# Altium PCB Main.PcbDoc (part 4 of 5)
Units mm, origin at the board's own origin, x right, y up, seen from the top; angles counter-clockwise.
Board outline 150.25 x 70.25 mm, 2 copper layers (Top Layer, Bottom Layer); 122 components, 135 nets, 595 pads, 384 vias.
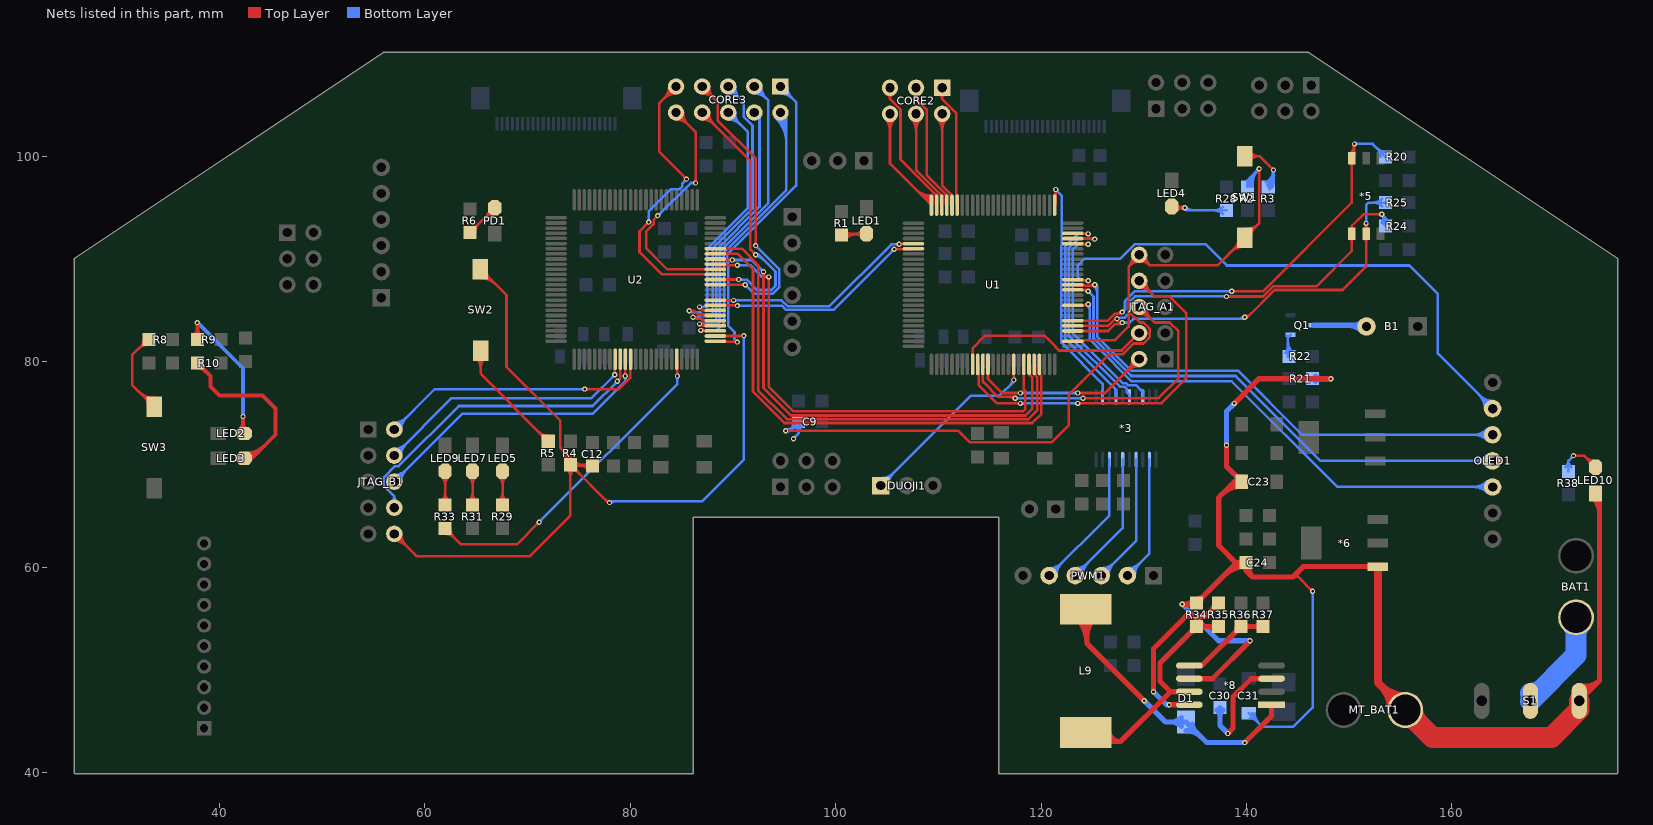
[diagram p4: the nets of this part, all layers, seen from the top]

## Via types
v1: diameter 0.508, hole 0.254, Top Layer to Bottom Layer, tented both sides, 206 vias
v2: diameter 0.508, hole 0.381, Top Layer to Bottom Layer, tented both sides, 164 vias
v3: diameter 0.762, hole 0.508, Top Layer to Bottom Layer, tented both sides, 11 vias
v4: diameter 4.5, hole 4, Top Layer to Bottom Layer, tented both sides, 3 vias

## Nets (pads, with @x,y where several pads share a name; then routed paths per layer and width w, separated by ;. In a path a pad name is that pad's centre, name@x,y a point inside that pad or via, vN(x,y) a via of type N, cw(c..) or ccw(c..) an arc to the next point about the centre after c; other vN are vias at no path point) (continued)
LED_6: R33.2 U2.46 | length 36.2
  Top Layer w0.254: R33.2@61.976,63.246 cw(c61.976,62.02) 62.843,62.887 cw(c63.71,63.754) R33.2@62.484,63.754 ; R33.2@61.976,63.754 63.5,62.23 68.961,62.23 v1(71.12,64.389) ; v1@70.993,64.389 cw(c70.686,64.389) 70.903,64.172 cw(c71.12,63.955) v1@71.12,64.262 ; U2.46@84.49,79.35 cw(c84.267,79.127) 84.582,79.127 ; v1@84.492,78.703 ccw(c84.275,78.92) 84.582,78.92 ccw(c84.889,78.92) v1@84.672,78.703 ; U2.46@84.524,80.259 84.582,80.2 v1(84.582,78.613)
  Bottom Layer w0.254: v1(71.12,64.389) 84.582,77.851 v1(84.582,78.613) ; v1@71.12,64.516 ccw(c71.12,64.823) 71.337,64.606 ccw(c71.554,64.389) v1@71.247,64.389 ; v1@84.492,78.523 cw(c84.275,78.306) 84.582,78.306 cw(c84.889,78.306) v1@84.672,78.523
M: *5.5 R25.2 U1.54 | length 47.1
  Top Layer w0.254: U1.54@123.074,83.003 126.519,83.003 127.182,83.666 127.735,83.666 v1(127.889,83.82) ; 127.211,83.666 ccw(c127.211,84.498) v1@127.799,83.91 ; v1(139.827,84.328) 140.066,84.328 142.733,86.995 149.352,86.995 151.638,89.281 *5.5@151.638,92.456 v1(151.638,93.472) ; v1@139.827,84.455 ccw(c139.827,85.339) 140.452,84.714 ; *5.5@151.463,92.056 cw(c151.039,91.632) 151.638,91.632 cw(c152.237,91.632) *5.5@151.813,92.056 ; *5.5@151.463,92.856 ccw(c151.039,93.28) 151.638,93.28 ccw(c152.237,93.28) *5.5@151.813,92.856 ; v1@151.53,93.405 cw(c151.159,93.176) 151.58,93.064 ; v1@151.548,93.382 cw(c151.331,93.165) 151.638,93.165 cw(c151.945,93.165) v1@151.728,93.382 ; 151.696,93.064 cw(c152.117,93.176) v1@151.746,93.405
  Bottom Layer w0.254: v1(127.889,83.82) 128.603,83.82 128.968,84.185 139.684,84.185 v1(139.827,84.328) ; v1@127.979,83.73 cw(c128.196,83.513) 128.196,83.82 cw(c128.196,84.127) v1@127.979,83.91 ; 139.175,84.185 ccw(c139.175,84.98) v1@139.737,84.418 ; v1@151.548,93.562 ccw(c151.331,93.779) 151.638,93.779 ccw(c151.945,93.779) v1@151.728,93.562 ; v1(151.638,93.472) 151.638,95.25 151.892,95.504 R25.2@153.543,95.504 ; R25.2@153.184,95.145 ccw(c152.317,94.278) 152.317,95.504 ccw(c152.317,96.73) R25.2@153.184,95.863
MOTOR1_IN1: *3.2 PWM1.2 | length 16.7
  Bottom Layer w0.254: PWM1.2@128.397,59.182 130.541,61.326 *3.2@130.541,70.485 ; PWM1.2@128.397,59.651 ccw(c128.397,60.783) 129.198,59.983 ccw(c129.998,59.182) PWM1.2@128.866,59.182 ; PWM1.2@128.397,59.905 ccw(c128.397,61.65) 129.631,60.416 ccw(c130.865,59.182) PWM1.2@129.12,59.182
MOTOR1_IN2: *3.4 PWM1.3 | length 17.2
  Bottom Layer w0.254: PWM1.3@125.857,59.182 129.241,62.566 *3.4@129.241,70.485 ; PWM1.3@125.857,59.651 ccw(c125.857,60.783) 126.658,59.983 ccw(c127.458,59.182) PWM1.3@126.326,59.182 ; PWM1.3@125.857,59.905 ccw(c125.857,61.65) 127.091,60.416 ccw(c128.325,59.182) PWM1.3@126.58,59.182
MOTOR2_IN1: *3.6 PWM1.4 | length 17.7
  Bottom Layer w0.254: PWM1.4@123.317,59.182 127.941,63.806 *3.6@127.941,70.485 ; PWM1.4@123.317,59.651 ccw(c123.317,60.783) 124.118,59.983 ccw(c124.918,59.182) PWM1.4@123.786,59.182 ; PWM1.4@123.317,59.905 ccw(c123.317,61.65) 124.551,60.416 ccw(c125.785,59.182) PWM1.4@124.04,59.182
MOTOR2_IN2: *3.8 PWM1.5 | length 18.3
  Bottom Layer w0.254: PWM1.5@120.777,59.182 126.641,65.046 *3.8@126.641,70.485 ; PWM1.5@120.777,59.651 ccw(c120.777,60.783) 121.578,59.983 ccw(c122.378,59.182) PWM1.5@121.246,59.182 ; PWM1.5@120.777,59.905 ccw(c120.777,61.65) 122.011,60.416 ccw(c123.245,59.182) PWM1.5@121.5,59.182
Net*8_1: *8.1 D1.1 L9.2 | length 37.7
  Top Layer w0.508: L9.2@123.452,55.03 cw(c121.018,52.596) 124.46,52.596 ; L9.2@123.811,55.389 cw(c122.245,53.823) 124.46,53.823 ; 124.46,53.209 cw(c127.035,53.209) L9.2@125.214,55.03 ; L9.2@124.46,55.022 124.46,52.578 v1(130.048,46.99) ; v1(139.827,42.926) 142.43,45.529 *8.1@142.43,46.609
  Bottom Layer w0.508: v1(130.048,46.99) 132.108,44.93 D1.1@134.112,44.93 136.116,42.926 v1(139.827,42.926) ; D1.1@133.673,44.491 ccw(c132.613,43.431) 132.613,44.93 ccw(c132.613,46.429) D1.1@133.673,45.369 ; D1.1@134.112,44.084 cw(c134.112,42.042) 135.556,43.486 ; D1.1@134.733,44.705 ccw(c135.689,44.705) 135.013,44.029
Net*8_3: *8.3 C30.1 | length 12.5
  Top Layer w0.508: v1(138.176,43.815) 138.684,44.323 138.684,47.371 140.462,49.149 *8.3@142.43,49.149
  Bottom Layer w0.508: C30.1@137.145,46.072 cw(c136.494,45.421) 137.414,45.421 cw(c138.334,45.421) C30.1@137.683,46.072 ; C30.1@137.414,46.341 137.414,44.577 v1(138.176,43.815)
Net*8_5: *8.5 R36.2 R37.2 | length 13.6
  Top Layer w0.508: *8.5@134.43,50.419 135.636,50.419 R36.2@139.446,54.229 R37.2@141.605,54.229 ; *8.5@135.43,50.465 ccw(c135.43,51.074) 135.86,50.643 ; R36.2@139.065,54.229 cw(c138.145,54.229) 138.796,53.579 cw(c139.446,52.928) R36.2@139.446,53.848 ; R36.2@139.715,53.96 cw(c140.366,53.309) 140.366,54.229 cw(c140.366,55.149) R36.2@139.715,54.498 ; R37.2@141.336,53.96 ccw(c140.685,53.309) 140.685,54.229 ccw(c140.685,55.149) R37.2@141.336,54.498
Net*8_7: *8.7 L9.1 R34.1 R35.2 | length 31.5
  Top Layer w0.508: L9.1@124.46,43.022 127.731,43.022 ; L9.1@125.561,43.938 ccw(c126.59,44.057) L9.1@126.59,43.022 ; L9.1@126.066,43.996 ccw(c127.16,44.124) 127.16,43.022 ; L9.1@126.571,44.055 ccw(c127.731,44.19) 127.731,43.022 ; *8.7@134.43,47.879 132.588,47.879 ; R34.1@134.747,54.229 cw(c133.827,54.229) 134.478,53.579 cw(c135.128,52.928) R34.1@135.128,53.848 ; R34.1@135.397,53.96 cw(c136.048,53.309) 136.048,54.229 cw(c136.048,55.149) R34.1@135.397,54.498 ; R35.2@137.018,53.96 ccw(c136.367,53.309) 136.367,54.229 ccw(c136.367,55.149) R35.2@137.018,54.498 ; R35.2@137.287,54.229 R34.1@135.128,54.229 131.572,50.673 131.572,48.895 132.588,47.879 ; 127.731,43.022 132.588,47.879
Net*8_8: *8.8 R35.1 | length 18.3
  Top Layer w0.508: v1(130.937,47.879) 130.937,52.07 134.085,55.218 135.99,55.218 R35.1@137.287,56.515 ; v1(132.461,46.609) *8.8@134.43,46.609 ; R35.1@136.906,56.515 cw(c135.986,56.515) 136.637,55.865 cw(c137.287,55.214) R35.1@137.287,56.134
  Bottom Layer w0.508: v1(130.937,47.879) 132.207,46.609 v1(132.461,46.609) cw(c132.461,47.222) 132.027,46.789
NetB1_2: B1.2 Q1.3 | length 7.6
  Bottom Layer w0.508: Q1.3@146.54,83.566 151.551,83.566 B1.2@151.678,83.439 ; 149.812,83.566 cw(c149.812,81.573) B1.2@151.221,82.982 ; 150.425,83.566 ccw(c150.425,84.692) B1.2@151.221,83.896
NetBAT1_1: BAT1.1 S1.2 | length 14.1
  Bottom Layer w2.032: S1.2@167.64,46.99 172.085,51.435 BAT1.1@172.085,55.118 ; S1.2@167.64,47.724 ccw(c167.64,49.496) 168.893,48.243 ; BAT1.1@171.566,54.599 cw(c170.313,53.346) 172.085,53.346 cw(c173.857,53.346) BAT1.1@172.604,54.599
NetLED1_2: LED1.2 R1.1 | length 7.1
  Top Layer w0.254: R1.1@100.584,92.329 100.711,92.456 LED1.2@102.997,92.456 ; R1.1@100.764,92.149 cw(c101.504,91.409) 101.504,92.456 cw(c101.504,93.249) R1.1@100.943,92.688 ; R1.1@100.943,91.97 cw(c102.117,90.796) 102.117,92.456 ; LED1.2@102.638,92.097 ccw(c101.771,91.23) 101.771,92.456 ccw(c101.771,93.682) LED1.2@102.638,92.815
NetLED2_2: LED2.2 R9.1 | length 17.7
  Top Layer w0.381: R9.1@37.532,82.483 ccw(c36.773,83.242) 37.846,83.242 ccw(c38.919,83.242) R9.1@38.16,82.483 ; R9.1@37.846,82.169 v1(37.846,83.82) ; LED2.2@41.977,73.339 ccw(c41.218,74.098) 42.291,74.098 ccw(c43.364,74.098) LED2.2@42.605,73.339 ; v1(42.291,74.676) 42.291,73.152 LED2.2@42.418,73.025
  Bottom Layer w0.381: v1(37.846,83.82) 42.291,79.375 v1(42.291,74.676)
NetLED3_2: LED3.2 R10.1 | length 21.6
  Top Layer w0.381: R10.1@37.846,79.438 cw(c37.846,78.365) 38.605,79.124 cw(c39.364,79.883) R10.1@38.291,79.883 ; R10.1@37.846,79.883 39.116,78.613 39.116,77.597 40.005,76.708 44.196,76.708 45.466,75.438 45.466,72.898 43.18,70.612 LED3.2@42.418,70.612 ; LED3.2@42.545,70.675 ccw(c42.545,72.362) 43.737,71.169 ; LED3.2@42.545,71.056 ccw(c42.545,73.663) 44.388,71.82
NetLED4_2: LED4.2 R28.1 | length 12.2
  Top Layer w0.254: LED4.2@132.715,95.123 132.842,94.996 v1(133.985,94.996) ; LED4.2@133.074,94.637 cw(c133.941,93.77) 133.941,94.996 cw(c133.941,96.222) LED4.2@133.074,95.355 ; 133.66,94.92 cw(c133.749,94.587) v1@133.921,94.886 ; 133.66,95.072 ccw(c133.749,95.405) v1@133.921,95.106 ; 133.712,94.935 ccw(c133.643,95.194) v1@133.875,95.06 ; 133.712,95.057 cw(c133.643,94.798) v1@133.875,94.932 ; v1@133.895,94.906 ccw(c133.678,94.689) 133.678,94.996 ccw(c133.678,95.303) v1@133.895,95.086
  Bottom Layer w0.254: v1@133.895,94.906 ccw(c134.292,95.303) 134.292,94.742 ; v1(133.985,94.996) 134.239,94.742 R28.1@138.049,94.742 ; v1@134.075,95.086 ccw(c134.905,95.916) 134.905,94.742 ; R28.1@137.69,94.383 ccw(c136.823,93.516) 136.823,94.742 ccw(c136.823,95.968) R28.1@137.69,95.101
NetLED5_2: LED5.2 R29.1 | length 7.2
  Top Layer w0.254: R29.1@67.205,66.399 ccw(c66.338,67.266) 67.564,67.266 ccw(c68.79,67.266) R29.1@67.923,66.399 ; LED5.2@67.205,68.856 cw(c66.338,67.989) 67.564,67.989 cw(c68.79,67.989) LED5.2@67.923,68.856 ; R29.1@67.564,66.04 LED5.2@67.564,69.342
NetLED7_2: LED7.2 R31.1 | length 7
  Top Layer w0.254: R31.1@64.284,66.399 ccw(c63.417,67.266) 64.643,67.266 ccw(c65.869,67.266) R31.1@65.002,66.399 ; LED7.2@64.284,68.856 cw(c63.417,67.989) 64.643,67.989 cw(c65.869,67.989) LED7.2@65.002,68.856 ; R31.1@64.643,66.167 LED7.2@64.643,69.342
NetLED9_2: LED9.2 R33.1 | length 7.2
  Top Layer w0.254: R33.1@61.617,66.399 ccw(c60.75,67.266) 61.976,67.266 ccw(c63.202,67.266) R33.1@62.335,66.399 ; LED9.2@61.617,68.856 cw(c60.75,67.989) 61.976,67.989 cw(c63.202,67.989) LED9.2@62.335,68.856 ; R33.1@61.849,66.04 61.976,66.167 LED9.2@61.976,69.342
NetLED10_2: LED10.2 R38.1 | length 9.4
  Top Layer w0.254: v1(171.831,70.866) 172.847,70.866 LED10.2@173.99,69.723 ; v1@171.921,70.776 cw(c172.138,70.559) 172.138,70.866 cw(c172.138,71.173) v1@171.921,70.956 ; 172.906,70.807 ccw(c173.99,71.891) LED10.2@173.99,70.358 ; 173.213,70.5 cw(c172.562,69.85) LED10.2@173.482,69.85 ; 173.34,70.373 ccw(c173.99,71.024) LED10.2@173.99,70.104
  Bottom Layer w0.254: R38.1@171.018,69.748 ccw(c170.561,70.358) 171.323,70.358 ; R38.1@171.323,69.342 171.323,70.358 ; R38.1@171.628,69.748 cw(c172.085,70.358) 171.323,70.358 ; v1@171.704,70.866 cw(c171.397,70.866) 171.614,70.649 cw(c171.831,70.432) v1@171.831,70.739 ; v1(171.831,70.866) 171.323,70.358
NetPD1_K: PD1.2 R6.1 | length 8
  Top Layer w0.254: R6.1@64.389,92.583 PD1.2@66.802,94.996 ; R6.1@64.389,93.091 ccw(c64.389,94.317) 65.256,93.45 ccw(c66.123,92.583) R6.1@64.897,92.583 ; 65.718,93.912 cw(c66.802,92.828) PD1.2@66.802,94.361 ; 66.025,94.219 ccw(c65.374,94.869) PD1.2@66.294,94.869 ; 66.152,94.346 cw(c66.802,93.695) PD1.2@66.802,94.615
NetQ1_1: Q1.1 R22.2 | length 5.5
  Bottom Layer w0.254: R22.2@143.786,80.877 ccw(c143.225,81.438) 144.018,81.438 ccw(c145.065,81.438) R22.2@144.325,80.698 ; Q1.1@143.928,82.547 cw(c143.71,82.329) 144.018,82.329 ; Q1.1@143.934,82.541 cw(c143.784,82.361) 144.018,82.361 ; 144.018,82.051 ccw(c145.678,82.051) R22.2@144.504,80.877 ; R22.2@144.145,80.518 144.018,80.518 144.018,82.362 Q1.1@144.272,82.616
NetR3_2: R3.2 SW1.1 | length 14.9
  Top Layer w0.254: SW1.1@139.807,100.008 141.292,100.008 ; SW1.1@140.07,99.749 cw(c140.687,99.144) 140.687,100.008 cw(c140.687,100.872) SW1.1@140.07,100.266 ; SW1.1@140.252,99.571 cw(c141.292,98.549) 141.292,100.008 ; SW1.1@140.252,100.444 ccw(c141.292,101.466) 141.292,100.008 ; v1@142.494,98.679 ccw(c142.187,98.679) 142.404,98.896 ccw(c142.621,99.113) v1@142.621,98.806 ; v1(142.621,98.679) 141.292,100.008
  Bottom Layer w0.254: R3.2@141.884,97.482 ccw(c141.28,98.679) v1(142.621,98.679) 142.621,97.536 R3.2@142.113,97.028 ccw(c141.696,97.853) 142.621,97.853 ; R3.2@141.999,97.255 ccw(c141.488,98.266) 142.621,98.266 ; R3.2@142.227,96.801 ccw(c141.905,97.441) R3.2@142.621,97.441 ; v1@142.511,98.616 cw(c142.245,98.462) 142.542,98.383 cw(c142.838,98.304) v1@142.684,98.569 ; v1@142.531,98.589 cw(c142.314,98.372) 142.621,98.372 cw(c142.928,98.372) v1@142.711,98.589
NetR5_2: R5.2 SW2.1 | length 17.2
  Top Layer w0.254: SW2.1@64.984,80.404 cw(c63.921,79.34) 65.425,79.34 cw(c66.929,79.34) SW2.1@65.865,80.404 ; SW2.1@65.164,80.583 cw(c64.534,79.953) 65.425,79.953 cw(c66.316,79.953) SW2.1@65.686,80.583 ; SW2.1@65.425,81.094 65.425,78.847 R5.2@72.009,72.263 ; R5.2@71.501,72.263 ccw(c70.275,72.263) 71.142,73.13 ccw(c72.009,73.997) R5.2@72.009,72.771
NetR8_2: R8.2 SW3.1 | length 14.4
  Top Layer w0.254: 32.063,81.212 cw(c33.147,80.128) R8.2@33.147,81.661 ; 32.145,77.114 ccw(c33.635,78.604) SW3.1@33.635,76.497 ; 32.37,81.519 ccw(c31.719,82.169) R8.2@32.639,82.169 ; 32.497,81.646 cw(c33.147,80.995) R8.2@33.147,81.915 ; 32.578,76.68 ccw(c33.635,77.737) SW3.1@33.635,76.243 ; 32.748,76.511 cw(c32.112,75.874) SW3.1@33.012,75.874 ; R8.2@33.147,82.169 33.02,82.169 31.496,80.645 31.496,77.763 SW3.1@33.635,75.624
OLED_D1: OLED1.4 U1.62 | length 56.2
  Top Layer w0.254: U1.62@123.074,87.003 124.452,87.003 v1(124.587,86.868) ; U1.62@123.954,87.003 cw(c123.954,86.235) v1@124.497,86.778
  Bottom Layer w0.254: v1@124.587,86.741 cw(c124.587,86.434) 124.804,86.651 cw(c125.021,86.868) v1@124.714,86.868 ; v1(124.587,86.868) 125.095,86.36 125.095,82.303 128.785,78.613 138.938,78.613 147.193,70.358 OLED1.4@163.971,70.358 ; OLED1.4@163.424,69.811 ccw(c162.105,68.492) 162.105,70.358 ccw(c162.105,72.224) OLED1.4@163.424,70.905 ; OLED1.4@163.604,69.991 ccw(c162.718,69.105) 162.718,70.358 ccw(c162.718,71.611) OLED1.4@163.604,70.725
OLED_D2: OLED1.3 U1.59 | length 56.3
  Top Layer w0.254: U1.59@123.074,85.503 124.492,85.503 v1(124.587,85.598) ; U1.59@124.051,85.503 ccw(c124.051,86.134) v1@124.497,85.688
  Bottom Layer w0.254: v1@124.497,85.508 cw(c123.909,84.92) 124.741,84.92 ; v1(124.587,85.598) 124.741,85.444 124.741,82.157 125.416,81.482 125.416,81.474 128.785,78.105 138.557,78.105 148.844,67.818 OLED1.3@163.971,67.818 ; OLED1.3@163.424,67.271 ccw(c162.105,65.952) 162.105,67.818 ccw(c162.105,69.684) OLED1.3@163.424,68.365 ; OLED1.3@163.604,67.451 ccw(c162.718,66.565) 162.718,67.818 ccw(c162.718,69.071) OLED1.3@163.604,68.185
OLED_DC: OLED1.6 U1.64 | length 62.3
  Top Layer w0.254: U1.64@123.074,88.003 123.172,87.905 124.116,87.905 ; U1.64@123.951,87.955 cw(c123.964,87.712) 124.137,87.884 ; U1.64@123.957,87.956 cw(c123.987,87.777) 124.116,87.905 ; U1.64@123.983,88.037 ccw(c124.352,88.406) v1@124.352,87.884 ; U1.64@123.997,88.009 ccw(c124.137,88.025) 124.137,87.884 ; 124.193,87.927 ccw(c124.29,88.29) v1@124.512,87.986 ; v1@124.497,87.794 ccw(c124.28,87.577) 124.28,87.884 ccw(c124.28,88.191) v1@124.497,87.974 ; v1(124.587,87.884) 124.137,87.884 ; 124.116,87.905 124.137,87.884
  Bottom Layer w0.254: v1@124.497,87.794 ccw(c124.28,87.577) 124.28,87.884 ccw(c124.28,88.191) v1@124.497,87.974 ; v1(124.587,87.884) 123.952,87.884 123.571,88.265 123.571,89.381 124.233,90.043 127.707,90.043 129.115,91.451 136.006,91.451 138.076,89.381 155.856,89.381 158.623,86.614 158.623,80.786 OLED1.6@163.971,75.438 ; OLED1.6@163.198,75.438 ccw(c161.332,75.438) 162.651,76.758 ccw(c163.971,78.077) OLED1.6@163.971,76.211 ; OLED1.6@163.452,75.438 ccw(c162.199,75.438) 163.085,76.324 ccw(c163.971,77.21) OLED1.6@163.971,75.957
OLED_RST: OLED1.5 U1.63 | length 56.6
  Top Layer w0.254: U1.63@123.444,87.405 124.386,87.405 124.388,87.403 125.122,87.403 v1(125.222,87.503) ; U1.63@123.983,87.537 ccw(c124.301,87.855) 124.301,87.405 ; 124.674,87.403 ccw(c124.674,88.051) v1@125.132,87.593
  Bottom Layer w0.254: v1@125.132,87.413 cw(c124.302,86.583) 125.476,86.583 ; v1(125.222,87.503) 125.476,87.249 125.476,82.423 128.778,79.121 139.192,79.121 145.415,72.898 OLED1.5@163.971,72.898 ; v1@125.312,87.593 cw(c124.915,87.196) 125.476,87.196 ; OLED1.5@163.424,72.351 ccw(c162.105,71.032) 162.105,72.898 ccw(c162.105,74.764) OLED1.5@163.424,73.445 ; OLED1.5@163.604,72.531 ccw(c162.718,71.645) 162.718,72.898 ccw(c162.718,74.151) OLED1.5@163.604,73.265
PTA19: CORE3.1 U2.51 | length 36.1
  Top Layer w0.254: U2.51@88.276,82.011 88.345,81.942 90.397,81.942 v1(90.424,81.915) ; U2.51@89.185,82.045 ccw(c89.433,82.293) 89.433,81.942 ; 90.052,81.942 cw(c90.052,81.543) v1@90.334,81.825
  Bottom Layer w0.254: v1@90.297,81.915 ccw(c89.99,81.915) 90.207,82.132 ccw(c90.424,82.349) v1@90.424,82.042 ; v1(90.424,81.915) 90.143,82.196 90.143,82.904 89.535,83.512 89.535,89.617 89.435,89.717 89.435,90.451 96.139,97.155 96.139,105.283 CORE3.1@94.615,106.807 ; CORE3.1@94.615,106.134 cw(c94.615,104.509) 95.764,105.658 cw(c96.913,106.807) CORE3.1@95.288,106.807 ; CORE3.1@94.615,106.388 cw(c94.615,105.376) 95.33,106.092 cw(c96.046,106.807) CORE3.1@95.034,106.807
PTB0: CORE3.2 U2.53 | length 37.7
  Top Layer w0.254: v1(86.868,83.058) 88.229,83.058 U2.53@88.276,83.011 ; v1@86.958,82.968 cw(c87.175,82.751) 87.175,83.058 cw(c87.175,83.365) v1@86.958,83.148 ; 87.172,83.058 cw(c87.172,82.782) U2.53@87.367,82.977
  Bottom Layer w0.254: v1(86.868,83.058) 88.392,83.058 89.154,83.82 89.154,89.497 89.081,89.57 89.081,90.598 95.19,96.707 95.19,103.692 CORE3.2@94.615,104.267 ; v1@86.958,82.968 cw(c87.175,82.751) 87.175,83.058 cw(c87.175,83.365) v1@86.958,83.148 ; CORE3.2@94.139,103.791 cw(c91.602,101.254) 95.19,101.254 ; CORE3.2@94.319,103.971 cw(c92.215,101.867) 95.19,101.867 ; CORE3.2@94.498,104.15 cw(c92.828,102.48) 95.19,102.48 ; CORE3.2@94.678,104.33 cw(c93.441,103.093) 95.19,103.093 ; CORE3.2@94.858,104.51 cw(c94.054,103.706) 95.19,103.706
PTB1: CORE3.3 U2.54 | length 34.1
  Top Layer w0.254: v1(86.741,83.693) 86.868,83.693 87.022,83.539 ; v1@86.795,83.578 cw(c86.881,83.398) 87.022,83.539 ; 87.218,83.539 cw(c87.218,83.328) U2.54@87.367,83.477 ; U2.54@88.276,83.511 88.248,83.539 87.022,83.539
  Bottom Layer w0.254: v1(86.741,83.693) 88.526,83.693 88.727,83.894 88.727,90.744 93.416,95.433 93.416,105.466 CORE3.3@92.075,106.807 ; v1@86.831,83.603 cw(c87.048,83.386) 87.048,83.693 cw(c87.048,84) v1@86.831,83.783 ; CORE3.3@92.075,106.134 cw(c92.075,104.509) 93.224,105.658 cw(c94.373,106.807) CORE3.3@92.748,106.807 ; CORE3.3@92.075,106.388 cw(c92.075,105.376) 92.79,106.092 cw(c93.506,106.807) CORE3.3@92.494,106.807
PTB2: CORE3.4 U2.55 | length 28.2
  Top Layer w0.254: v1(86.106,84.328) 86.36,84.328 86.514,84.174 ; v1@86.17,84.218 cw(c86.313,83.973) 86.514,84.174 ; U2.55@87.388,84.057 cw(c87.264,84.497) 86.94,84.174 ; U2.55@88.276,84.011 87.103,84.011 86.94,84.174 ; 86.514,84.174 86.94,84.174
  Bottom Layer w0.254: v1(86.106,84.328) 86.786,84.328 87.067,84.047 88.346,84.047 88.373,84.074 88.373,90.891 92.583,95.101 92.583,103.759 CORE3.4@92.075,104.267 ; v1@86.196,84.238 cw(c86.413,84.021) 86.413,84.328 cw(c86.413,84.635) v1@86.196,84.418
PTB3: CORE3.5 U2.56 | length 35.7
  Top Layer w0.254: v1(85.725,84.963) 86.233,84.963 86.587,84.609 88.178,84.609 U2.56@88.276,84.511 ; v1@85.815,84.873 cw(c86.032,84.656) 86.032,84.963 cw(c86.032,85.27) v1@85.815,85.053 ; 87.049,84.609 cw(c87.049,84.159) U2.56@87.367,84.477
  Bottom Layer w0.254: v1(85.725,84.963) 85.852,84.836 86.779,84.836 87.16,84.455 87.884,84.455 88.019,84.59 88.019,91.038 91.899,94.918 91.899,102.99 91.048,103.842 91.048,105.294 CORE3.5@89.535,106.807 ; v1@85.815,85.053 ccw(c86.338,85.576) 86.338,84.836 ; CORE3.5@89.535,106.134 cw(c89.535,104.509) 90.684,105.658 cw(c91.833,106.807) CORE3.5@90.208,106.807 ; CORE3.5@89.535,106.388 cw(c89.535,105.376) 90.25,106.092 cw(c90.966,106.807) CORE3.5@89.954,106.807
PTB9: CORE3.6 U2.57 | length 28.9
  Top Layer w0.254: v1@86.741,85.217 cw(c86.741,84.91) 86.958,85.127 cw(c87.175,85.344) v1@86.868,85.344 ; v1(86.741,85.344) 87.074,85.011 U2.57@88.276,85.011
  Bottom Layer w0.254: v1(86.741,85.344) 87.503,85.344 87.503,91.022 91.44,94.959 91.44,102.362 CORE3.6@89.535,104.267 ; v1@86.831,85.254 cw(c87.048,85.037) 87.048,85.344 cw(c87.048,85.651) v1@86.831,85.434 ; CORE3.6@89.535,103.594 cw(c89.535,101.969) 90.684,103.118 cw(c91.833,104.267) CORE3.6@90.208,104.267 ; CORE3.6@89.535,103.848 cw(c89.535,102.836) 90.25,103.552 cw(c90.966,104.267) CORE3.6@89.954,104.267
PTB16: CORE3.7 U2.62 | length 35.6
  Top Layer w0.254: CORE3.7@86.995,106.134 cw(c86.995,104.509) 88.144,105.658 cw(c89.293,106.807) CORE3.7@87.668,106.807 ; CORE3.7@86.995,106.388 cw(c86.995,105.376) 87.71,106.092 cw(c88.426,106.807) CORE3.7@87.414,106.807 ; CORE3.7@86.995,106.807 88.508,105.294 88.508,103.516 92.202,99.822 v1(92.202,91.313) ; U2.62@88.276,87.511 91.178,87.511 v1(91.186,87.503) ; 90.86,87.511 cw(c90.86,87.177) v1@91.096,87.413 ; 90.899,87.511 ccw(c90.899,87.79) v1@91.096,87.593 ; v1@92.112,91.403 ccw(c91.895,91.62) 92.202,91.62 ccw(c92.509,91.62) v1@92.292,91.403
  Bottom Layer w0.254: v1@91.186,87.376 cw(c91.186,87.069) 91.403,87.286 cw(c91.62,87.503) v1@91.313,87.503 ; v1(91.186,87.503) 92.075,86.614 93.853,86.614 94.488,87.249 94.488,89.027 v1(92.202,91.313) ; v1@92.202,91.186 cw(c92.202,90.879) 92.419,91.096 cw(c92.636,91.313) v1@92.329,91.313
PTB17: CORE3.8 U2.63 | length 33.4
  Top Layer w0.254: CORE3.8@86.995,103.594 cw(c86.995,101.969) 88.144,103.118 cw(c89.293,104.267) CORE3.8@87.668,104.267 ; CORE3.8@86.995,103.848 cw(c86.995,102.836) 87.71,103.552 cw(c88.426,104.267) CORE3.8@87.414,104.267 ; CORE3.8@86.995,104.267 91.694,99.568 91.694,90.932 v1(92.202,90.424) ; U2.63@88.276,88.011 v1(90.551,88.011) ; v1@90.461,87.921 ccw(c90.244,87.704) 90.244,88.011 ccw(c90.244,88.318) v1@90.461,88.101 ; v1@92.075,90.424 ccw(c91.768,90.424) 91.985,90.641 ccw(c92.202,90.858) v1@92.202,90.551
  Bottom Layer w0.254: v1(90.551,88.011) 90.578,87.984 91.385,87.984 91.667,87.702 91.667,87.657 92.329,86.995 93.733,86.995 94.134,87.396 94.134,88.773 92.483,90.424 ; v1@90.641,88.101 ccw(c90.923,88.383) 90.923,87.984 ; v1@92.202,90.297 cw(c92.202,89.312) 92.898,90.009 ; v1(92.202,90.424) 92.483,90.424 ; v1@92.202,90.551 cw(c92.202,90.179) 92.465,90.442 ; v1@92.297,90.34 cw(c92.483,90.177) 92.483,90.424 ; v1@92.297,90.508 ccw(c92.483,90.671) 92.483,90.424
PTB18: CORE3.9 U2.64 | length 34.6
  Top Layer w0.254: v1@81.661,93.599 cw(c81.354,93.599) 81.571,93.382 cw(c81.788,93.165) v1@81.788,93.472 ; v1(81.788,93.599) 80.899,92.71 80.899,90.678 83.066,88.511 U2.64@88.276,88.511 ; CORE3.9@83.782,106.807 cw(c82.157,106.807) 83.306,105.658 cw(c84.455,104.509) CORE3.9@84.455,106.134 ; CORE3.9@84.036,106.807 cw(c83.024,106.807) 83.74,106.092 cw(c84.455,105.376) CORE3.9@84.455,106.388 ; CORE3.9@84.455,106.807 82.804,105.156 82.804,100.457 v1(85.471,97.79) ; v1@85.344,97.79 ccw(c85.037,97.79) 85.254,98.007 ccw(c85.471,98.224) v1@85.471,97.917
  Bottom Layer w0.254: v1@81.698,93.689 ccw(c81.481,93.906) 81.788,93.906 ccw(c82.095,93.906) v1@81.878,93.689 ; v1(81.788,93.599) 81.788,94.615 83.974,96.801 84.781,96.801 85.063,97.083 85.063,97.382 v1(85.471,97.79) ; v1@85.344,97.79 cw(c85.037,97.79) 85.254,97.573 cw(c85.471,97.356) v1@85.471,97.663
PTB19: CORE3.10 U2.65 | length 29.8
  Top Layer w0.254: v1@82.55,94.234 cw(c82.243,94.234) 82.46,94.017 cw(c82.677,93.8) v1@82.677,94.107 ; v1(82.677,94.234) 82.269,93.826 82.269,93.4 81.534,92.665 81.534,91.059 83.582,89.011 U2.65@88.276,89.011 ; CORE3.10@84.455,103.594 cw(c84.455,101.969) 85.604,103.118 cw(c86.753,104.267) CORE3.10@85.128,104.267 ; CORE3.10@84.455,103.848 cw(c84.455,102.836) 85.17,103.552 cw(c85.886,104.267) CORE3.10@84.874,104.267 ; CORE3.10@84.455,104.267 86.36,102.362 v1(86.36,97.409) ; v1@86.27,97.499 ccw(c86.053,97.716) 86.36,97.716 ccw(c86.667,97.716) v1@86.45,97.499